# Altium PCB PCB.PcbDoc (continued)
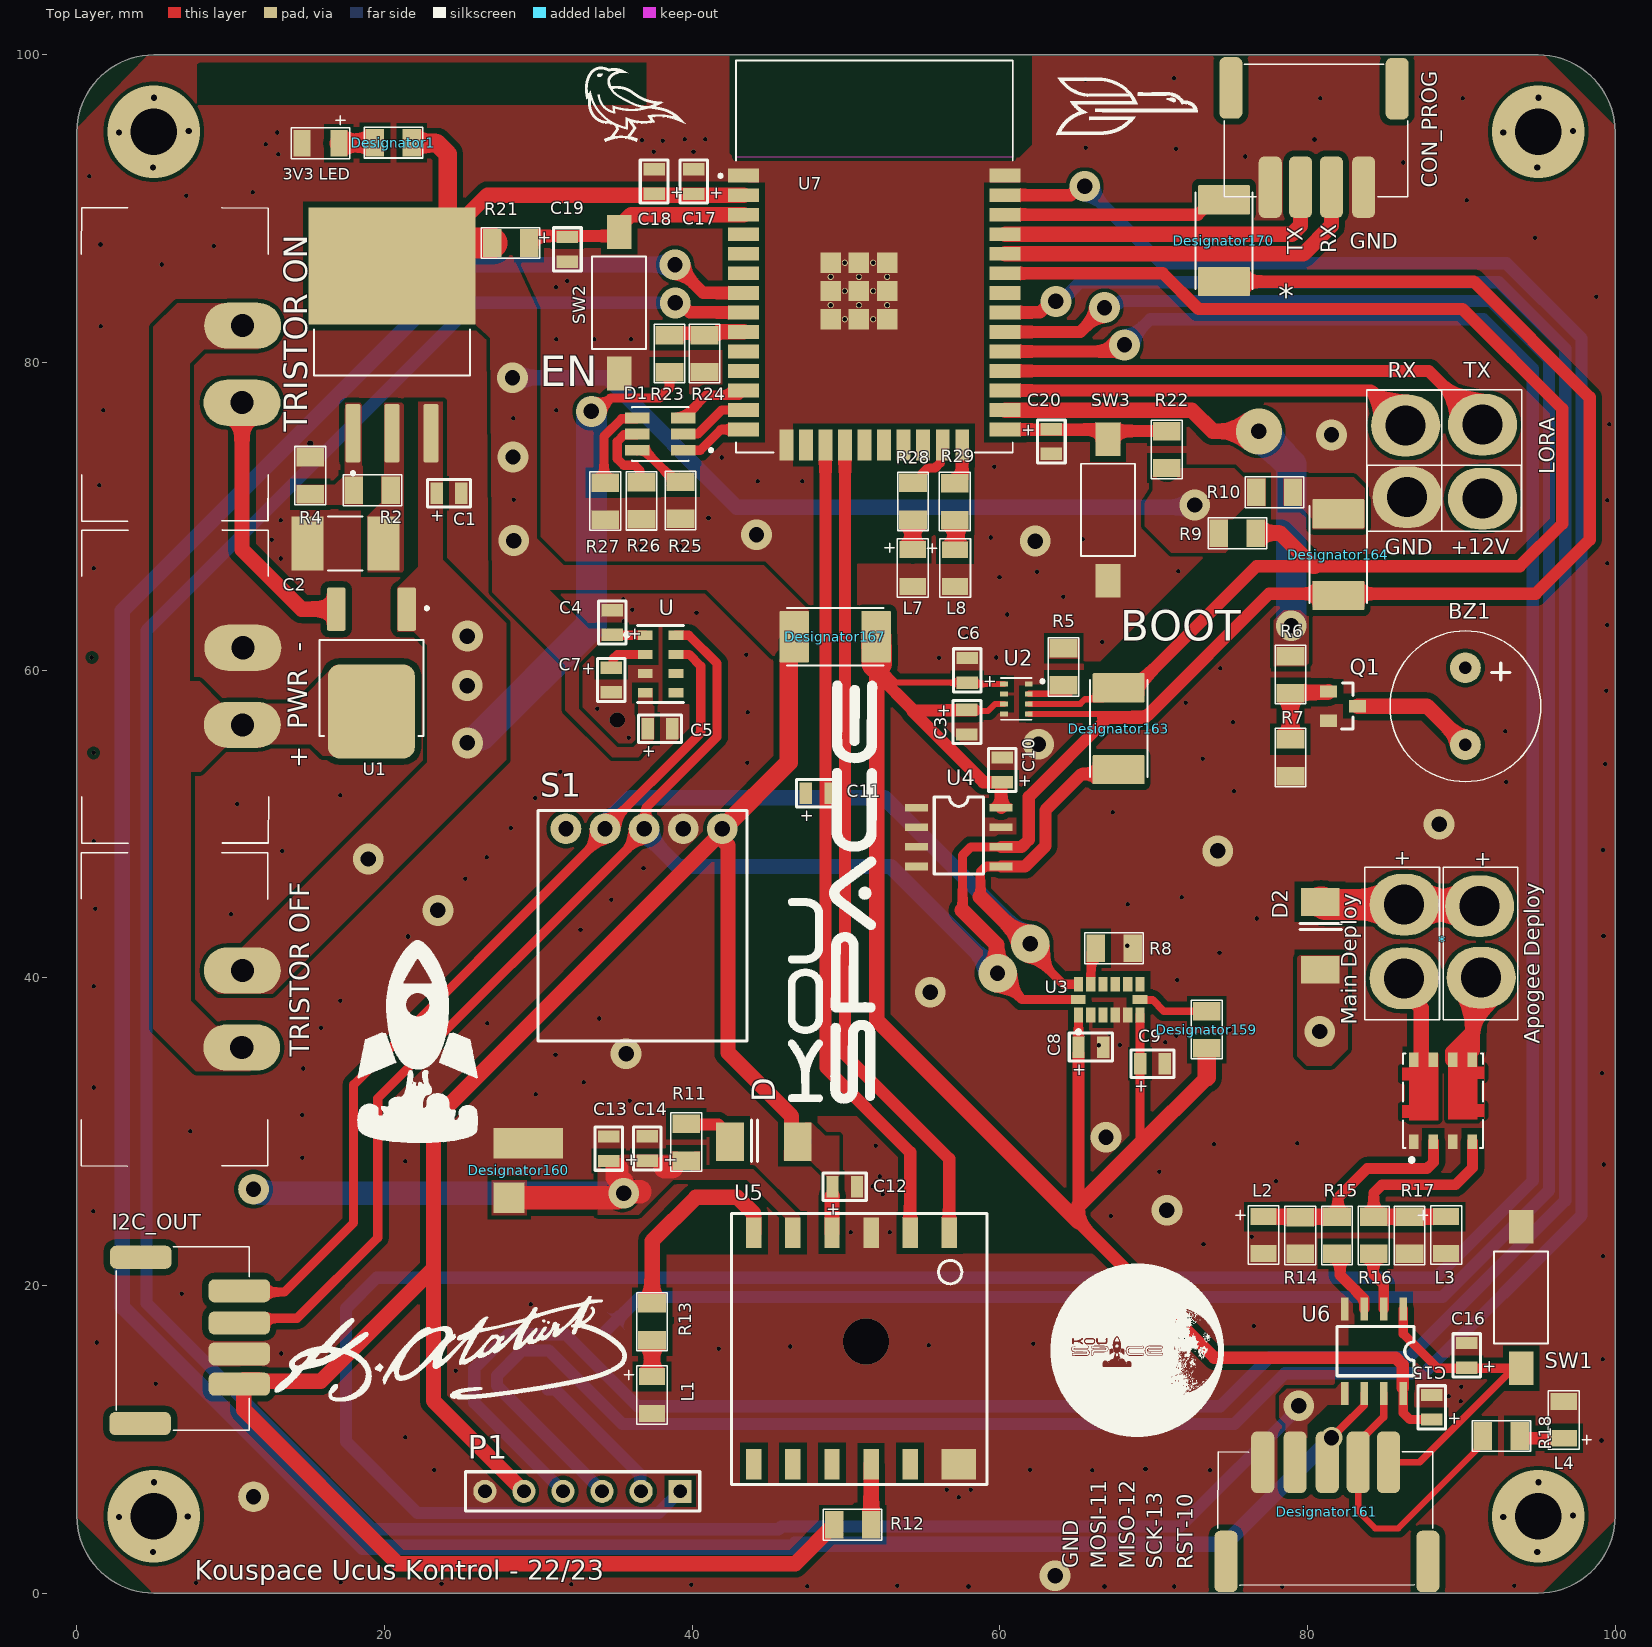
[diagram p0: Top Layer view]
## Part data (continued)
D D2: Case/Package=DO214AA, Current=3A, Voltage=1000V
D1: "LED RGB DIFFUSED 6PLCC SMD", Package=None, Availability="In Stock", Check_prices=https://www.snapeda.com/parts/ASMB-TTF2-0B20B/Avago/view-part/?ref=eda, MF="Broadcom / Avago", MP=ASMB-TTF2-0B20B, Price=None, Purchase-URL=https://pricing.snapeda.com/search/part/ASMB-TTF2-0B20B/?ref=eda, SnapEDA_Link=https://www.snapeda.com/parts/ASMB-TTF2-0B20B/Avago/view-part/?ref=snap
P1: "Header, 6-Pin", LatestRevisionDate=17-Jul-2002, LatestRevisionNote="Re-released for DXP Platform.", Publisher="Altium Limited"
Q1: "Trans MOSFET N-CH Si 60V 0.65A Automotive 3-Pin SOT-23F T/R", Case/Package=SOT23F, Manufacturer=Toshiba, Supplier Part Number 1=757-SSM3K357RLF, ComponentLink1Description=https://toshiba.semicon-storage.com/info/docget.jsp?did=59207&prodName=SSM3K357R&src-supplier=Digi-Key, ComponentLink1URL=https://toshiba.semicon-storage.com/info/docget.jsp?did=59207&prodName=SSM3K357R&src-supplier=Digi-Key, Designed by="Ahmet Azboy", Manufacturer Part Number=SSM3K357R,LF, Pricing 1="1=0,41000, 10=0,33600, 50=0,33600, 100=0,22900, 1000=0,12900, 10000=0,10300 (USD)", RoHS=No, Supplier 1=Mouser
R2 R4 R5 R6 R7 R8 R9 R10 R11 R12 R13 R14 R15 R16 R17 R18 R25 R26 R27 R28 R29: library part "RES 1K 1206"
S1: "Üç Eksenli Manyometre sensörü"
SW1 SW2 SW3: "Switch Tactile OFF (ON) SPST Rectangular Button Gull Wing 0.05A 12VDC SMD Loose Piece", Package=None, Availability=Unavailable, MP=1437566-3, Price=None
U: "Pressure Sensor 7.25PSI ~ 15.95PSI _50kPa ~ 110kPa_ Absolute 24 b 8-TLGA", Package="LGA-8 NXP USA", Availability=Unavailable, MF="NXP USA", MP=MPL3115A2, Price=None, SnapEDA_Link=https://www.snapeda.com/parts/MPL3115A2/NXP%20USA%20Inc./view-part/472433/?ref=snap
U2: "BMP280 Absolute Barometric Pressure Sensor for Battery Powered Devices 2 x 2.5mm", Package=None, Availability=Unavailable, MP=BMP280, Price=None
U3: "Accelerometer X, Y, Z Axis Â±2g, 4g, 8g, 16g 0.05Hz ~ 1.6kHz 14-LGA (3x5)", Package="LGA -14 Analog Devices", Availability=Warning, Check_prices=https://www.snapeda.com/parts/ADXL345BCCZ-RL/Analog%20Devices%20Inc./view-part/52306/?ref=eda, MF="Analog Devices", MP=ADXL345BCCZ-RL, Price=None, Purchase-URL=https://pricing.snapeda.com/search/part/ADXL345BCCZ-RL/?ref=eda, SnapEDA_Link=https://www.snapeda.com/parts/ADXL345BCCZ-RL/Analog%20Devices%20Inc./view-part/52306/?ref=snap
U4: "EEPROM Serial-2Wire 512K-bit 64K x 8 3.3V/5V 8-Pin SOIJ Tube / IC EEPROM 512KBIT 400KHZ 8SOIJ", Case/Package=SOIC, Frequency=400kHz, Manufacturer=Microchip, Manufacturer Part Number=24LC512-I/SM, Max Operating Temperature=85°C, Max Supply Voltage=5.5V, Min Operating Temperature=-40°C, Min Supply Voltage=2.5V, Nominal Supply Current=5mA, Package Quantity=90, Supplier Part Number 1=8895724, Access Time=900ns, Access Time-Max=900ns, Category=EEPROM, ComponentLink1Description=https://datasheet.ciiva.com/26870/24lc512-i-sm-26870738.pdf?src-supplier=IIIC, ComponentLink1URL=https://datasheet.ciiva.com/26870/24lc512-i-sm-26870738.pdf?src-supplier=IIIC, ComponentLink2Description=https://datasheet.ciiva.com/29294/160414-da-01-en-eeprom-24lc512-i-sm-microchip-29294348.pdf?src-supplier=Conrad, ComponentLink2URL=https://datasheet.ciiva.com/29294/160414-da-01-en-eeprom-24lc512-i-sm-microchip-29294348.pdf?src-supplier=Conrad, ComponentLink3Description=https://datasheet.ciiva.com/17651/21754m-17651369.pdf?src-supplier=Avnet+Europe, ComponentLink3URL=https://datasheet.ciiva.com/17651/21754m-17651369.pdf?src-supplier=Avnet+Europe, ComponentLink4Description=https://datasheet.ciiva.com/1155/1688094-1155274.pdf?src-supplier=Element14, ComponentLink4URL=https://datasheet.ciiva.com/1155/1688094-1155274.pdf?src-supplier=Element14, ComponentLink5Description=https://datasheet.ciiva.com/1155/1688094-1155275.pdf?src-supplier=Element14, ComponentLink5URL=https://datasheet.ciiva.com/1155/1688094-1155275.pdf?src-supplier=Element14, ComponentLink6Description=https://datasheet.ciiva.com/3184/21754m-3184956.pdf?src-supplier=Avnet, ComponentLink6URL=https://datasheet.ciiva.com/3184/21754m-3184956.pdf?src-supplier=Avnet, ComponentLink7Description=https://datasheet.ciiva.com/16921/70045251-16921949.pdf?src-supplier=Allied+Electronics, ComponentLink7URL=https://datasheet.ciiva.com/16921/70045251-16921949.pdf?src-supplier=Allied+Electronics, ComponentLink8Description=https://datasheet.ciiva.com/16304/filehandler-aspxddocname-en546203-16304574.pdf?src-supplier=Future+Electronics, ComponentLink8URL=https://datasheet.ciiva.com/16304/filehandler-aspxddocname-en546203-16304574.pdf?src-supplier=Future+Electronics, Density=512Kb, Designed by="Ahmet Azboy", Height=1.88mm, Lead Free="Lead Free", Length=5.21mm, Max Frequency=400kHz, Memory Size=512Kb, Memory Type=EEPROM, Mount="Surface Mount", Number of Pins=8, Organization=64KX8, Packaging=Rail/Tube, Pricing 1="90=1,48900 (GBP)", Programming Voltage=5.5V, Radiation Hardening=No, REACH SVHC="No SVHC", RoHS=Yes, RoHS Compliant=Yes, Stock 1=53, Supplier 1=RSComponents, Supply Current=5mA, Supply Voltage-Nom=5.5V, Width=5.28mm, Write Cycle Time-Max (tWC)=5ms, Write Protection=YES, Interface=I2C,Serial,2-Wire
U6: "ATtiny Series 4 KB Flash 256 B SRAM 20 MHz 8-Bit Microcontroller - SOIC-8", Case/Package=SOIC, Frequency=20MHz, Manufacturer="Microchip / Atmel", Manufacturer Part Number=ATTINY45-20SU, Max Operating Temperature=85°C, Max Supply Voltage=5.5V, Min Operating Temperature=-40°C, Min Supply Voltage=2.7V, Package Quantity=95, Supplier Part Number 1=68T3731, Access Time=20us, Address Bus Width=8b, Category=Microcontrollers, ComponentLink1Description=https://datasheet.ciiva.com/15122/getdatasheetpartid-123040-15122445.pdf?src-supplier=Verical, ComponentLink1URL=https://datasheet.ciiva.com/15122/getdatasheetpartid-123040-15122445.pdf?src-supplier=Verical, ComponentLink2Description=https://datasheet.ciiva.com/28653/1738893-28653749.pdf?src-supplier=Element14, ComponentLink2URL=https://datasheet.ciiva.com/28653/1738893-28653749.pdf?src-supplier=Element14, ComponentLink3Description=https://datasheet.ciiva.com/3203/doc2586-3203982.pdf?src-supplier=Avnet, ComponentLink3URL=https://datasheet.ciiva.com/3203/doc2586-3203982.pdf?src-supplier=Avnet, ComponentLink4Description=https://datasheet.ciiva.com/26207/doc2586-26207534.pdf?src-supplier=Avnet+Europe, ComponentLink4URL=https://datasheet.ciiva.com/26207/doc2586-26207534.pdf?src-supplier=Avnet+Europe, Contact Plating=Tin,Matte, Core Architecture=AVR, Data Bus Width=8b, Height=1.91mm, Lead Free="Lead Free", Length=5.35mm, Max Frequency=20MHz, Memory Size=4KB, Memory Type=FLASH, Mount="Surface Mount", Number of ADC Channels=4, Number of Pins=8, Number of Programmable I/O=6, Number of PWM Channels=6, Number of SPI Channels=1, Number of Timers/Counters=2, Number of UART Channels=1, Number of I2C Channels=1, Number of I/Os=6, Oscillator Type=Internal, Packaging=Rail/Tube, Peripherals="Brown-out Detect/Reset,POR,PWM,WDT", Radiation Hardening=No, RAM Size=256B, REACH SVHC="No SVHC", RoHS=Yes, Supplier 1=Newark, Termination=SMD/SMT, Watchdog Timer=Yes, Width=5.4mm, Interface=SPI
U7: "Bluetooth, WiFi 802.11b/g/n, Bluetooth v4.2 +EDR, Class 1, 2 and 3 Transceiver Module 2.4GHz ~ 2.5GHz Integrated", Package="Module Espressif Systems", Availability="In Stock", Check_prices=https://www.snapeda.com/parts/ESP32-WROOM-32D/Espressif+Systems/view-part/?ref=eda, MF="Espressif Systems", MP=ESP32-WROOM-32D, Price=None, Purchase-URL=https://pricing.snapeda.com/search/part/ESP32-WROOM-32D/?ref=eda, SnapEDA_Link=https://www.snapeda.com/parts/ESP32-WROOM-32D/Espressif+Systems/view-part/?ref=snap
"+  PWR  -" "TRISTOR OFF" "TRISTOR ON": ComponentLink1Description="New link"
U5: Designed by="Ahmet Azboy", Name="Quetcel L80"

## Via types
v1: diameter 0.3, hole 0.3, Top Layer to Bottom Layer, 195 vias
v2: diameter 2, hole 1, Top Layer to Bottom Layer, 31 vias
v3: diameter 0.4, hole 0.4, Top Layer to Bottom Layer, 17 vias
v4: diameter 6, hole 3, Top Layer to Bottom Layer, 4 vias
v5: diameter 2.5, hole 1, Top Layer to Bottom Layer, 2 vias
v6: diameter 1.4, hole 1, Top Layer to Bottom Layer, 1 vias
v7: diameter 1, hole 1, Top Layer to Bottom Layer, 1 vias
v8: diameter 3, hole 3, Top Layer to Bottom Layer, 1 vias
v9: diameter 3, hole 1, Top Layer to Bottom Layer, 1 vias

## Nets (pads, with @x,y where several pads share a name; then routed paths per layer and width w, separated by ;. In a path a pad name is that pad's centre, name@x,y a point inside that pad or via, vN(x,y) a via of type N, cw(c..) or ccw(c..) an arc to the next point about the centre after c; other vN are vias at no path point)
+3V3: "3V3 LED.2" "3V3 LED.4" C2.1 C3.1 C4.1 C5.1 C6.1 C8.1 C9.1 C10.1 C11.1 C12.1 C15.1 C17.1 C18.1 D.1 Designator1.2 Designator159.1 Designator167.1 Designator167.2 I2C_OUT.1 P1.5 R2.1 R5.1 R9.1 R10.1 R12.2 R21.2 R22.2 S1.1 U2.6 U2.8 U3.1 U3.6 U4.8 U5.4 U6.8 U7.2 U.1 U.4 | length 376.4
  Top Layer w0.4: 52.346,60.117 53.273,59.191 C6.1 ; C6.1@57.876,59.102 U2.8 ; C3.1@58.376,57.39 58.414,57.352 59.241,57.352 59.691,57.802 U2.6
  Top Layer w0.6: I2C_OUT.1@10.607,13.584 I2C_OUT.1 I2C_OUT.1@10.862,13.884 ; C4.1 34.82,62.277 U.1 ; Designator167.1@46.29,60.565 46.29,61.828 Designator167.1 ; C12.1@49.118,25.792 C12.1 ; C8.1@65.11,35.399 U3.1 ; 69.11,29.188 U3.6 ; U6.8 86.226,11.714 86.658,11.282 C15.1
  Top Layer w0.8: 51.997,60.467 51.997,59.768 54.38,57.384 56.3,57.384 56.306,57.39 C3.1@58.376,57.39 ; 54.324,57.327 58.931,52.72 C10.1@60.086,52.72 ; U4.8 C10.1@60.086,52.72 ; C10.1 C10.1@60.086,52.72 ; C8.1@65.115,35.069 65.115,25.193 65.115,24.134 73.942,15.307 85.729,15.307 86.198,14.838 U6.8@86.198,13.331
  Top Layer w1: I2C_OUT.1@10.607,13.584 10.857,13.334 10.857,11.92 20.857,1.92 46.709,1.92 R12.2 ; I2C_OUT.1@10.862,13.884 I2C_OUT.1@11.812,13.884 ; I2C_OUT.1@11.812,13.767 15.846,13.767 23.183,21.104 ; 22.617,88.097 24.113,89.593 ; 23.912,88.097 26.695,90.88 U7.2 ; P1.5 23.183,12.496 23.183,21.104 ; D.1 46.457,29.752 46.457,31.003 42.327,35.133 42.327,48.611 42.145,48.793 42.145,49.5 S1.1 41.954,49.484 23.183,30.713 23.183,21.104 ; U5.4 49.09,25.764 C12.1@49.118,25.792 ; 51.997,59.768 51.997,37.252 65.115,24.134 ; 65.115,25.193 69.11,29.188 73.457,33.535 ; R22.2 R22.2@70.863,73.132
  Top Layer w1.2: Designator1.2 21.775,94.258 23.41,94.258 24.113,93.555 24.113,89.593 ; S1.1 46.29,54.027 Designator167.1@46.29,60.565 ; 73.457,33.535 Designator159.1
  Top Layer w2: 20.488,86.283 21.978,87.773 R21.2 ; Designator167.2 51.96,61.53 51.997,61.493 51.997,60.467
  Bottom Layer w1: v2@28.305,79.013 34.486,79.013 42.908,70.591 72.528,70.591 v2(72.677,70.74)
  other v1: 28.406,71.068 28.363,76.382
  other v2: 28.406,68.422 28.348,73.86 28.318,79.005
+12V: "3V3 LED.3" "TRISTOR OFF.2" *.1@91.383,71.156 BZ1.1 C1.1 D2.1 R23.1 U1.1 | length 32.3
  Top Layer w0.6: v2(33.449,76.821) 33.828,76.821 34.703,77.696 37.873,77.696 38.523,78.346 R23.1
  Bottom Layer w1: 10.756,40.476 11.215,40.476 ; v2(25.386,55.272) 25.657,55.272 26.157,55.772 26.29,55.772
  Bottom Layer w2: 26.29,55.772 33.449,62.931 v2(33.449,76.821)
  other v2: 80.797,36.509 18.947,47.728 25.38,58.997 25.386,62.214
BATTERY: R23.2 R24.1 U7.9 | length 5
  Top Layer w0.8: R23.2 38.528,81.78 39.095,81.78 39.252,81.937 40.071,81.937 40.228,81.78 40.795,81.78 R24.1
  Top Layer w1: R24.1 40.9,81.885 41.681,81.885 41.786,81.99 U7.9
BUZZER_TRIG: R6.2 U7.26 | length 30.6
  Top Layer w1: U7.26 72.468,76.91 73.842,75.536 76.829,75.536 v9(76.842,75.523)
  Bottom Layer w2: v9(76.842,75.523) 76.842,75.478 78.941,73.379 v2(78.941,62.89)
CAP: C7.1 U.2 | length 2.8
  Top Layer w0.6: C7.1 34.75,60.162 34.85,60.262 34.85,60.726 35.151,61.027 U.2
CLK_ESP: ?.1@30.612,13.261 ?.2@34.374,17.023 P1.2 U7.30 | length 166.1
  Top Layer w0.8: U7.30 65.227,81.99 v2(66.808,83.571)
  Bottom Layer w0.8: ?.1@30.612,13.261 31.064,13.261 36.318,8.007 36.615,7.71 36.615,6.94 P1.2@36.656,6.899 ; ?.2@34.374,17.023 36.607,19.256 88.774,19.256 95.703,26.185 95.703,80.235 91.933,84.005 67.877,84.005 67.672,83.801 67.038,83.801 v2(66.808,83.571)
CS_ESP: P1.1 U7.29 | length 202.8
  Top Layer w0.8: U7.29 67.358,80.72 67.784,81.146 v2(68.109,81.146)
  Bottom Layer w0.8: P1.1 37.817,5.214 22.128,5.214 17.49,9.852 17.49,18.512 19.484,20.506 88.344,20.506 94.649,26.811 94.649,79.609 91.441,82.817 69.78,82.817 v2(68.109,81.146)
GND: "+  PWR  -.2" *.1@86.916,29.355 *.2@86.483,71.256 *.3@89.456,29.355 ?.2@14.63,94.255 B1.2 C1.2 C2.2 C3.2 C4.2 C5.2 C6.2 C7.2 C8.2 C9.2 C10.2 C11.2 C12.2 C13.2 C14.2 C15.2 C16.2 C17.2 C18.2 C19.2 C20.2 CON_PROG.1 CON_PROG.4 Designator160.1 Designator161.4@77.092,8.507 I2C_OUT.2 L1.2 L2.2 L3.2 L4.2 L7.2 L8.2 P1.6 Q1.2 R4.1 R7.1 R8.1 R14.2 R17.1 R24.2 R25.1 R26.1 R27.1 S1.2 SW1.2 SW2.2 SW3.2 U2.1 U2.5 U2.7 U3.2 U3.4 U3.5 U4.1 U4.2 U4.3 U4.4 U4.7 U5.3 U5.12 U6.4 U7.1 U7.15 U7.38 U7.39_1 U7.39_2 U7.39_3 U7.39_4 U7.39_5 U7.39_6 U7.39_7 U7.39_8 U7.39_9 U7.39_10 U7.39_11 U7.39_12 U7.39_13 U7.39_14 U7.39_15 U7.39_16 U7.39_17 U7.39_18 U7.39_19 U7.39_20 U7.39_21 U.3
  other v1: 57.966,0.433 66.806,0.429 71.334,0.429 78.354,0.429 47.477,0.455 53.342,0.476 93.448,0.479 39.935,0.552 32.148,0.578 23.705,0.603 7.741,0.667 17.153,0.704 57.33,6.239 58.107,6.718 56.549,6.72 66.001,7.981 73.665,7.981 23.237,8 61.96,8.011 69.474,8.071 99.114,9.919 21.34,10.134 89.962,12.469 89.191,12.806 89.986,13.409 5.122,13.618 24.642,14.463 99.196,15.202 13.278,15.575 21.34,15.823 41.737,15.898 46.37,16.029 55.372,16.12 62.164,16.215 1.289,16.295 68.395,16.368 76.509,17.365 29.518,18.786 6.826,19.453 99.216,21.903 73.239,22.673 76.369,23.175 50.307,23.464 52.838,23.464 67.222,24.519 1.069,24.814 52.383,25.92 51.731,26.45 77.956,26.775 52.201,27.087 70.367,27.391 99.268,27.867 21.354,28.069 14.661,28.301 51.929,29.072 73.922,29.169 79.324,29.237 7.36,30.024 14.661,31.085 21.597,31.687 35.938,32.009 29.82,32.431 1.093,32.868 32.954,33.215 99.145,33.791 14.707,34.102 24.222,34.312 31.116,34.993 66.42,35.629 67.809,35.632 70.76,35.805 71.479,36.236 67.11,36.358 70.782,36.557 74.929,36.606 15.867,36.747 26.671,37.059 33.957,37.358 17.12,38.511 1.102,39.46 71.536,39.859 74.278,41.625 68.283,42.09 21.529,42.688 99.244,42.72 32.74,43.122 76.695,43.856 10.021,44.129 1.182,44.493 68.329,44.786 34.731,45.076 71.815,45.25 25.242,46.447 36.838,47.125 26.634,47.839 13.341,48.246 99.21,48.311 1.093,48.878 28.212,49.742 67.352,50.769 10.42,51.3 29.79,51.691 17.126,51.865 75.223,52.127 92.934,52.731 31.415,53.408 99.355,53.902 43.575,53.979 73.188,54.23 35.878,55.596 92.848,56.031 75.156,56.605 43.617,57.272 33.84,57.482 72.082,57.874 99.427,58.663 74.341,60.133 56.044,60.801 59.757,60.821 43.521,61.007 66.647,61.834 57.831,62.191 99.481,62.937 35.559,63.188 60.472,63.621 40.279,63.729 68.99,63.859 36.093,63.938 35.51,64.602 64.125,64.772 59.976,66.043 62.418,66.401 71.591,66.42 1.093,66.619 99.481,66.941 13.248,67.259 36.638,68.051 39.229,68.051 12.665,68.485 65.376,68.505 59.4,68.624 13.248,69.746 41.062,69.895 99.492,71.042 1.451,72.025 44.255,72.274 47.15,72.287 59.628,73.222 41.918,73.824 99.625,75.998 1.722,76.901 31.154,76.902 31.154,81.513 33.637,81.513 36.025,81.513 1.542,82.356 98.774,84.264 31.149,84.892 32.566,84.892 31.868,85.301 5.518,86.37 8.907,87.573 1.538,87.672 94.789,88.117 90.352,90.561 7.103,90.853 11.422,91.072 0.816,92.111 86.236,93.005 75.946,93.391 13.096,93.551 37.508,93.714 40.087,93.714 71.455,93.9 65.592,93.97 12.286,94.196 38.087,94.415 36.737,94.45 80.455,94.496 39.518,94.525 40.854,94.525 13.022,94.951 80.834,97.185 90.094,97.185 87.381,97.291 65.573,98.393 71.32,98.47
  other v2: 63.592,1.122 70.864,24.887 66.902,29.63 35.703,35.071 55.473,39.068 23.469,44.384 74.169,48.25 88.556,49.987 62.518,55.188 62.301,68.391 44.179,68.803 81.565,75.293
  other v3: 15.171,74.736
  other v7: 35.121,56.759
  other v8: 51.297,16.362
GPS_LED: R13.1 U5.6 | length 13.5
  Top Layer w1: R13.1 37.394,22.889 40.234,25.729 42.943,25.729 44.01,24.662 U5.6
IO0: C20.1 R22.1 SW3.1 U7.25 | length 10.4
  Top Layer w0.8: U7.25 SW3.1@66.63,75.64 ; SW3.1 67.03,75.144 67.43,75.544 R22.1
LED_1: R29.2 U7.24 | length 2.8
  Top Layer w0.6: R29.2 57.256,72.157 R29.2@57.556,72.457
  Top Layer w0.8: R29.2@57.556,72.457 U7.24
LED_2: R28.2 U7.23 | length 3.7
  Top Layer w0.6: R28.2 54.658,72.181 54.958,72.481 54.958,72.789 55.309,73.14 55.785,73.14 56.136,73.491 56.136,74.49 U7.23
MISO: Designator161.3 U6.6 U7.7 | length 187.5
  Top Layer w0.5: v6(81.566,10.099) 82.233,10.766 83.686,12.22 U6.6
  Top Layer w0.8: v2(38.885,86.363) 40.718,84.53 U7.7
  Bottom Layer w1: v2(38.885,86.363) 25.447,86.363 2.96,63.876 2.96,18.595 18.564,2.991 46.499,2.991 46.682,3.174 74.617,3.174 81.542,10.099 v6(81.566,10.099)
MISO_ESP: P1.4 U7.31 | length 184.1
  Top Layer w0.8: U7.31 62.606,83.26 63.319,83.973 v2(63.644,83.973)
  Bottom Layer w0.8: P1.4 25.836,12.383 25.836,14.6 28.065,16.829 31.768,16.829 36.452,12.145 74.34,12.145 77.547,15.352 86.595,15.352 96.757,25.514 96.757,80.906 92.438,85.225 65.229,85.225 64.566,84.562 64.558,84.562 63.969,83.973 v2(63.644,83.973)
MOSI: Designator161.4@79.197,8.507 U6.5 U7.8 | length 176
  Top Layer w0.8: v2(38.9,83.877) 39.225,83.877 39.842,83.26 U7.8
  Bottom Layer w0.8: v2(38.9,83.877) 25.814,83.877 4.521,62.584 4.521,18.848 19.224,4.145 45.611,4.145 45.794,4.328 71.718,4.328 79.435,12.045 v2(79.435,12.179)
MOSI_ESP: P1.3 U7.37 | length 187.9
  Top Layer w0.8: U7.37 64.614,90.88 65.19,91.456 v2(65.515,91.456)
  Bottom Layer w0.8: P1.3@34.141,6.64 27.308,13.473 27.308,14.135 28.948,15.775 30.672,15.775 35.457,10.99 75.238,10.99 78.546,14.298 87.559,14.298 97.811,24.55 97.811,81.578 92.944,86.445 70.526,86.445 v2(65.515,91.456)
Net*_1: *.1@86.291,44.765 *.2@91.191,44.665 D2.2 | length 10.5
  Top Layer w2: D2.2 80.968,44.934 81.137,44.765 86.291,44.765 86.341,44.715 91.141,44.715 *.2@91.191,44.665
Net*_2: *.2@88.186,29.355 L2.1 R14.1 R15.2 | length 14.6
  Top Layer w0.7: R15.2 81.986,24.515 81.986,25.695 83.887,27.596 87.776,27.596 88.186,28.006 *.2@88.186,29.355
  Top Layer w1: L2.1 77.151,24.465 79.525,24.465 81.917,24.465 R15.2
Net*_3: *.7 *.8 *.@86.291,39.965 | length 7.5
  Top Layer w1: *.@86.291,39.965 86.291,39.153 87.406,38.038 87.406,37.886 87.387,37.867 87.387,32.913
Net*_4: *.4@90.726,29.355 L3.1 R16.2 R17.2 | length 15.1
  Top Layer w0.7: R16.2 84.311,26.018 84.839,26.546 89.625,26.546 90.726,27.647 *.4@90.726,29.355
  Top Layer w1: R16.2 84.321,24.465 89.005,24.465 L3.1
NetB1_1: B1.1 C13.1 C14.1 Designator160.2 R11.2 U5.5 | length 34.4
  Top Layer w0.6: R11.2@39.607,28.102 R11.2
  Top Layer w1.5: Designator160.2 v2@35.124,25.701 ; 35.1,27.566 35.1,27.042 35.458,26.684 35.458,26.092 v2(35.554,25.996) 35.65,26.092 36.615,26.092 ; 38.226,27.703 38.672,27.703
  Bottom Layer w1.5: B1.1 11.617,26.261 11.882,25.996 v2@35.419,25.996
NetBZ1_2: BZ1.2 Q1.3 | length 8
  Top Layer w1: Q1.3 87.759,57.662 BZ1.2
NetC19_1: C19.1 R21.1 SW2.1 U7.3 | length 15.9
  Top Layer w0.8: R21.1@29.254,87.786 R21.1@29.369,87.902 ; R21.1@29.27,88.226 31.083,88.226 34.046,88.226 34.045,88.227 35.078,88.227 SW2.1@35.496,88.227 ; SW2.1 SW2.1@35.251,88.576
  Top Layer w1: SW2.1@34.951,87.926 35.078,88.053 35.078,88.227 35.078,88.658 36.03,89.61 U7.3
NetD1_2: D1.2 R25.2 | length 3.7
  Top Layer w0.6: D1.2 36.876,74.302 38.635,72.543 38.635,72.535 38.935,72.235 R25.2
NetD1_4: D1.4 R26.2 | length 5.2
  Top Layer w0.6: D1.4 36.376,75.302 35.569,75.302 35.126,74.859 35.126,73.745 35.553,73.318 36.261,73.318 36.608,72.971 36.608,72.309 R26.2
NetD1_6: D1.6 R27.2 | length 5.7
  Top Layer w0.6: R27.2 34.272,72.27 34.272,75.213 35.411,76.352 36.376,76.352 D1.6
NetD_2: D.2 R11.1 | length 4.7
  Top Layer w0.6: D.2@41.857,30.283 42.457,29.683 D.2
  Top Layer w0.8: R11.1 39.665,30.468 41.691,30.468 42.457,29.702 D.2
NetKLM1_1: "TRISTOR ON.1" U1.3 | length 17.3
  Top Layer w1: 10.734,77.389 10.734,67.834 14.603,63.965 U1.3
NetL1_1: L1.1 R13.2 | length 2.4
  Top Layer w1: L1.1 L1.1 37.393,16.439 R13.2
NetL4_1: L4.1 R18.1 | length 2.5
  Top Layer w0.8: R18.1@94.134,10.053 94.141,10.059 96.655,10.059 L4.1
NetL5_1: ?.1@17.03,94.255 Designator1.1 | length 2.4
  Top Layer w1.2: ?.1@17.03,94.255 17.051,94.276 19.375,94.276 Designator1.1
NetL6_1: *.3@91.291,40.015 *.@89.456,34.665 *.@90.726,34.665 | length 8.2
  Top Layer w1: *.@89.456,34.665 89.456,35.176 90.726,36.446 ; 90.091,34.66 90.726,35.295 90.726,36.446 ; *.3@91.291,40.015 90.745,39.469 90.745,36.465 90.726,36.446
NetL7_1: L7.1 R28.1 | length 2
  Top Layer w0.6: R28.1@54.334,69.757 R28.1
  Top Layer w1: L7.1@54.334,67.795 R28.1@54.334,69.757
NetL8_1: L8.1 R29.1 | length 2
  Top Layer w0.6: R29.1 R29.1@57.164,69.663
  Top Layer w1: L8.1@57.164,67.816 R29.1@57.164,69.663
NetQ1_1: Q1.1 R6.1 R7.2 | length 5.5
  Top Layer w1: R7.2 78.896,55.517 78.896,58.511 R6.1 78.948,58.563 81.317,58.563 Q1.1
NetR1_1: Designator159.2 U3.7 | length 4.7
  Top Layer w0.5: U3.7 69.133,38.561 69.929,38.561 70.66,37.83 Designator159.2
NetR2_2: "3V3 LED.1" R2.2 R4.2
NetR5_2: R5.2 U2.2 | length 2.7
  Top Layer w0.4: U2.2@61.89,58.466 64.531,58.466 R5.2@64.554,58.489
NetR8_2: R8.2 U3.12 | length 2
  Top Layer w0.6: 65.91,40.079 65.91,40.266 65.936,40.292 65.936,41.629 R8.2
NetR12_1: R12.1 U5.10 | length 3.9
  Top Layer w1: U5.10 51.63,7.87 51.634,7.866 R12.1
PROG_RX: CON_PROG.3 U7.34 | length 24.5
  Top Layer w1: U7.34 79.729,87.07 81.56,88.901 CON_PROG.3
PROG_TX: CON_PROG.2 U7.35 | length 21.9
  Top Layer w1: U7.35 78.989,88.34 79.55,88.901 CON_PROG.2
RESET: C16.1 Designator161.1 SW1.1 U6.1 | length 20.9
  Top Layer w0.45: Designator161.1 87.286,8.507 SW1.1@93.396,14.617
  Top Layer w0.6: U6.1 86.226,16.853 88.462,14.617 90.353,14.617 SW1.1@93.396,14.617
  Top Layer w0.8: SW1.1@93.396,14.617 SW1.1
RGB_BLUE: D1.5 U7.12 | length 4.7
  Top Layer w0.6: D1.5 40.904,77.88 43.041,77.88 U7.12
RGB_GREEN: D1.3 U7.13 | length 4.6
  Top Layer w0.6: D1.3 40.368,75.352 41.926,76.91 U7.13
RGB_RED: D1.1 U7.14 | length 4.5
  Top Layer w0.6: D1.1 40.526,74.302 41.864,75.64 U7.14
RX_GPS: U5.2 U7.17 | length 53.5
  Top Layer w0.8: U7.17 48.666,34.159 54.17,28.656 U5.2
RX_LORA: *.3@86.383,75.906 U7.27 | length 27
  Top Layer w0.8: U7.27 84.109,78.18 *.3@86.383,75.906
SCK: Designator161.2 R18.2 U6.7 | length 19.8
  Top Layer w0.4: Designator161.2@83.27,8.516 83.27,9.746 83.62,10.096 Designator161.2@83.661,10.096 ; Designator161.2 83.297,5.306 84.393,4.21 85.902,4.21 91.455,9.763 R18.2@91.455,10.063 ; Designator161.2@83.426,10.096 Designator161.2@83.6,10.096
  Top Layer w0.5: Designator161.2@83.6,10.096 84.956,11.452 U6.7
SCK_ESP: 
SCL: Designator164.1 Designator164.2 Designator170.1 Designator170.2 I2C_OUT.3 R10.2 S1.3 U2.4 U3.14 U4.6 U7.36 U.8 | length 212.5
  Top Layer w0.4: U2.4 69.687,57.152
  Top Layer w0.6: I2C_OUT.3 10.862,17.864 14.314,17.864 19.559,23.109 19.559,32.161 36.874,49.476 S1.3 ; S1.3@37.003,49.82 37.003,51.05 41.617,55.664 41.617,60.441 39.781,62.277 U.8 ; 57.568,44.383 57.568,47.948 58.131,48.511 U4.6 ; v5@59.792,40.238 v5(59.851,40.297) ; v5@60.112,40.275 60.148,40.275 60.148,39.883 61.447,38.584 U3.14
  Top Layer w0.8: U4.6 61.408,48.511 61.877,48.98 61.877,51.766 67.016,56.905 ; U7.36 72.868,89.61 73.838,90.58 Designator170.2 ; 66.71,56.905 67.016,56.905 ; Designator170.1 90.818,85.26 98.343,77.735 98.343,68.478 94.833,64.968 77.503,64.968 69.687,57.152 69.44,56.905 67.016,56.905
  Top Layer w1: 57.568,44.383 59.792,42.159 v5@59.792,40.238
  Bottom Layer w1: S1.3 36.874,49.458 39.092,47.24 52.909,47.24 v5(59.851,40.297)
SDA: Designator163.1 Designator163.2 I2C_OUT.4 R9.2 S1.4 U2.3 U3.13 U4.5 U7.33 U.7 | length 202.9
  Top Layer w0.3: U2.3@61.876,57.777 61.851,57.777 U2.3
  Top Layer w0.4: U2.3@61.876,57.812 65.24,57.812 65.536,58.108 66.705,58.108 Designator163.2@66.744,58.146
  Top Layer w0.6: I2C_OUT.4@11.141,19.567 13.477,19.567 17.99,24.08 17.99,33.047 34.066,49.123 34.066,49.423 40.564,55.921 40.564,60.265 39.802,61.027 U.7 ; 58.736,45.259 58.736,46.89 59.087,47.241 U4.5 ; v5(61.986,42.217) 61.986,41.73 64.132,39.584 U3.13
  Top Layer w0.8: U4.5 61.637,47.241 62.965,48.569 62.965,50.9 65.317,53.252 67.439,53.252 Designator163.1 ; U7.33 70.588,85.8 72.911,83.477 90.079,83.477 96.56,76.996 96.56,69.521 93.794,66.755 80.483,66.755 ; Designator163.2 68.275,59.408 69.336,59.408 76.683,66.755 80.377,66.755
  Top Layer w1: 58.736,45.259 61.778,42.217 v5(61.986,42.217) ; R9.2 78.226,68.906 80.377,66.755 80.483,66.755
  Bottom Layer w1: S1.4 34.334,50.056 35.995,51.717 52.486,51.717 v5(61.986,42.217)
TRIGGER1: R16.1 U6.2 | length 3.9
  Top Layer w0.7: R16.1 84.279,22.023 84.279,20.747 84.956,20.07 U6.2
TRIGGER2: R15.1 U6.3 | length 4.3
  Top Layer w0.7: R15.1 82.12,21.861 82.12,20.688 83.686,19.122 U6.3
TX_GPS: U5.1 U7.18 | length 54
  Top Layer w0.8: U7.18 49.936,35.003 56.71,28.229 U5.1
TX_LORA: *.4@91.383,75.956 U7.28 | length 32.5
  Top Layer w0.8: U7.28 87.889,79.45 *.4@91.383,75.956
VCC: "+  PWR  -.1" "TRISTOR OFF.1" "TRISTOR ON.2" U1.4
pads on no net: CON_PROG. Designator161. I2C_OUT. S1.5 U3.3 U3.8 U3.9 U3.10 U3.11 U5.7 U5.8 U5.9 U5.11 U7.4 U7.5 U7.6 U7.10 U7.11 U7.16 U7.19 U7.20 U7.21 U7.22 U7.32 U.5 U.6
copper on no net:
  other v1: 1.093,54.623 0.972,60.826 94.94,92.684 92.73,94.955 97.27,95.045 95.016,97.211
  other v3: 4.94,2.684 94.94,2.684 2.73,4.955 92.73,4.955 7.211,4.985 97.27,5.045 5.016,7.211 95.016,7.211 4.94,92.684 94.94,92.684 2.73,94.955 92.73,94.955 7.27,95.045 97.27,95.045 5.016,97.211 95.016,97.211
  other v4: 5,5 95,5 5,95 95,95

## Polygon pours and split planes (outlines as drawn)
GND on Top Layer "GND_L01_P027" (solid, remove dead copper, pour order 27): 0.088,91.643 0.077,91.654 0.077,95.315 4.558,99.91 5.049,99.91 42.395,99.91 42.395,93.617 42.699,93.313 61.253,93.313 62.105,94.165 62.105,99.91 95.457,99.91 99.949,95.418 99.949,4.711 95.299,0.061 4.825,0.061 4.825,0.116 0.049,4.892 0.074,4.917 0.074,91.655
NetB1_1 on Top Layer "NETB1_1_L01_P037" (solid, pour order 37): 26.549,26.673 26.999,27.123 36.554,27.123 36.932,26.745 36.932,25.031 36.396,24.495 26.765,24.495 26.765,26.385 26.459,26.691
NetB1_1 on Top Layer "NETB1_1_L01_P029" (solid, pour order 29): 26.87,26.602 27.222,26.954 34.582,26.954 34.824,27.196 36.332,27.196 37.234,26.294 36.398,25.458 36.398,24.754 36.233,24.589 27.09,24.589 26.848,24.831 26.859,24.842 26.859,26.602
NetB1_1 on Top Layer "NETB1_1_L01_P014" (solid, pour order 14): 33.874,28.474 33.899,28.499 38.491,28.499 38.715,28.723 40.52,28.723 40.52,27.543 40.529,27.534 40.537,27.542 43.959,27.542 47.064,24.437 46.999,24.372 46.045,24.372 46.045,24.38 43.549,26.876 38.777,26.876 36.494,24.593 33.849,24.593 33.849,28.502 33.858,28.511
+3V3 on Top Layer "+3V3_L01_P006" (solid, pour order 6): 36.474,58.831 36.49,58.815 36.49,57.129 36.718,56.901 36.71,56.893 36.71,55.491 36.68,55.491 36.183,54.994 35.123,54.994 32.64,57.477 32.64,60.667 31.744,60.667 31.729,60.652 31.744,60.637 31.744,57.397 34.79,54.351 36.502,54.351 37.521,55.509 37.519,55.511 37.519,57.661 37.412,57.768 37.422,57.778 37.422,58.816 37.425,58.819 37.412,58.832 36.488,58.832
+3V3 on Top Layer "+3V3_L01_P034" (solid, pour order 34): 32.773,63.178 33.252,62.699 35.528,62.699 35.63,62.597 37.448,62.597 37.448,61.969 37.442,61.963 35.585,61.963 35.46,61.838 35.426,61.872 34.079,61.872 33.578,61.371 33.151,61.798 31.967,61.798
+3V3 on Top Layer "+3V3_L01_P000" (solid, remove dead copper, pour order 0): 24.461,88.632 27.534,88.632 29.895,83.529 29.895,66.056 34.079,61.872 32.328,60.121 31.958,60.121 27.016,65.063 26.867,81.577 26.664,81.78 24.461,83.767
+3V3 on Top Layer "+3V3_L01_P007" (solid, pour order 7): 47.513,60.504 47.482,60.535 45.538,60.535 45.538,60.628 40.927,65.239 29.744,65.239 29.744,68.728 31.644,66.828 44.643,66.828 47.605,63.866 47.543,63.804 47.543,60.519
+3V3 on Top Layer "+3V3_L01_P031" (solid, pour order 31): 63.208,61.893 63.208,62.056 66.185,62.056 71.592,67.463 71.592,67.907 73.192,67.907 66.037,60.752 63.208,60.752 63.208,61.804 63.193,61.819
+3V3 on Top Layer "+3V3_L01_P012" (solid, pour order 12): 48.681,22.611 48.698,22.628 49.452,22.628 49.452,24.263 49.6,24.411 49.431,24.411 49.431,25.635 49.547,25.751 49.547,29.721 48.65,29.721 47.752,30.619 45.968,30.619 45.968,28.138 45.989,28.117 47.689,28.117 48.671,27.135 48.66,27.124 48.66,24.432 48.618,24.39 48.671,24.337 48.671,22.627
MOSI on Top Layer "MOSI_L01_P015" (solid, pour order 15): 82.204,13.703 82.639,13.703 82.639,12.251 81.311,12.251 79.999,10.939 79.999,10.084 78.584,10.084 78.547,10.121 78.584,10.158 78.584,11.042 78.517,11.042 78.171,11.388 78.179,11.396 78.179,12.825 78.651,13.297 81.79,13.297 82.225,13.732 82.623,13.732
VCC on Top Layer "VCC_L01_P026" (solid, pour order 26): 10.477,57.83 14.29,57.83 16.768,60.308 21.526,60.308 21.526,54.531 21.401,54.406 16.536,54.406 16.5,54.442 15.981,54.442 15.21,55.194 10.544,55.194 10.544,57.375 10.419,57.5
VCC on Top Layer "VCC_L01_P025" (solid, pour order 25): 11.38,36.888 11.27,36.778 11.27,33.938 7.73,33.938 4.965,36.703 4.965,82.312 6.514,83.861 11.786,83.861 11.786,80.875 8.283,80.875 7.325,79.917 7.325,59.268 7.989,59.268 9.427,57.83 11.528,57.83 12.044,57.314 12.044,54.991 9.647,54.991 8.062,53.406 7.398,53.406 7.398,38.511 9.058,36.851 9.095,36.888 11.233,36.888
BUZZER_TRIG on Top Layer "BUZZER_TRIG_L01_P023" (solid, pour order 23): 78.465,63.905 77.798,63.238 77.798,60.26 79.839,60.26 79.858,60.241 80.07,60.453 80.07,63.518 79.984,63.518 79.593,63.831 79.519,63.905
+12V on Top Layer "+12V_L01_P019" (solid, pour order 19): 79.398,41.412 79.339,41.353 79.339,34.914 79.967,34.286 81.558,34.286 82.617,35.345 82.617,41.47 79.28,41.47
+3V3 on Top Layer "+3V3_L01_P010" (solid, pour order 10): 69.421,70.874 69.421,69.363 71.136,67.648 74.674,67.648 74.674,67.659 74.843,67.828 74.807,67.864 74.807,69.826 75.156,69.826 75.998,70.668 77.273,70.668 77.273,72.473 77.297,72.497 75.866,72.497 75.231,73.132 71.624,73.132 71.624,73.076
+3V3 on Top Layer "+3V3_L01_P008" (solid, pour order 8): 69.954,73.698 69.929,73.673 69.929,71.708 69.421,70.874 69.421,69.761 70.126,69.056 71.786,69.056 71.786,69.074 72.413,69.701 72.413,71.047 71.752,71.708 71.752,73.681 69.946,73.681 69.929,73.698
SCL on Top Layer "SCL_L01_P009" (solid, pour order 9): 78.517,72.536 78.438,72.457 78.438,70.72 79.459,70.72 80.323,69.856 80.323,69.17 83.689,69.17 83.728,69.209 83.728,71.82 83.002,72.546 82.992,72.536 78.488,72.536
NetR2_2 on Top Layer "NETR2_2_L01_P003" (solid, pour order 3): 17.4,76.911 17.4,72.679 16.775,72.054 14.212,72.054 14.212,70.92 14.373,70.759 18.578,70.759 18.578,77.216 18.41,77.384 17.453,77.384 17.453,77.053 17.409,77.009
+3V3 on Top Layer "+3V3_L01_P002" (solid, pour order 2): 19.966,75.489 19.966,72.781 19.751,72.566 19.781,72.536 19.781,70.858 19.72,70.858 18.828,69.966 18.904,69.89 18.904,66.381 21.15,66.381 21.258,66.489 21.243,66.504 21.243,77.259 21.105,77.397 19.983,77.397 19.908,77.322 19.982,77.248 19.982,75.517
+12V on Top Layer "+12V_L01_P001" (solid, pour order 1): 9.63,42.032 8.603,41.005 8.603,39.505 8.63,39.505 9.157,38.978 12.74,38.978 27.928,54.166 27.928,63.051 23.791,67.188 23.791,77.35 23.791,77.463 22.567,77.463 22.18,77.463 22.18,66.715 20.82,65.355 20.82,62.495 21.903,62.495 22.791,61.607 22.791,53.999 22.763,53.999 10.435,41.671 9.195,41.671 9.554,42.03 9.625,42.03
GND on Bottom Layer "GND_L02_P028" (solid, remove dead copper, pour order 28): 0.133,95.35 4.736,99.953 4.767,99.922 42.462,99.922 42.462,93.454 42.814,93.102 61.103,93.102 61.103,93.239 62.128,94.264 62.128,99.922 95.496,99.922 99.946,95.472 99.908,95.434 99.908,4.696 95.242,0.03 95.218,0.054 4.858,0.054 4.858,0.09 0.06,4.888 0.132,4.96 0.132,95.343
+12V on Bottom Layer "+12V_L02_P022" (solid, pour order 22): 9.492,41.902 9.607,41.787 45.185,41.787 52.208,34.764 75.583,34.764 78.228,37.409 79.248,38.429 82.41,35.268 77.991,30.849 41.615,30.849 33.325,39.139 9.089,39.139 9.089,41.154 9.78,41.845
+12V on Bottom Layer "+12V_L02_P024" (solid, pour order 24): 85.1,61.881 89.191,65.972 89.191,72.69 89.953,73.452 93.566,73.452 93.566,69.914 92.507,68.855 92.507,61.365
+12V on Bottom Layer "+12V_L02_P020" (solid, pour order 20): 80.555,34.272 81.257,34.272 81.304,34.225 82.242,35.163 82.476,35.163 82.476,50.116 90.866,58.506 92.507,58.506 92.507,61.365 91.991,61.881 85.1,61.881 78.716,55.497 78.716,35.195 79.707,34.204 79.722,34.219 80.669,34.219

## Other copper
Top Layer:
  pour cut-out: 75.244,69.585 75.447,69.585 75.644,69.782 75.644,67.606 75.771,67.479 76.34,67.479 76.34,67.581 76.34,67.259 69.125,60.044 68.988,60.181 65.924,60.181 65.924,59.331 65.441,58.847 65.441,60.398 65.422,60.417 65.434,60.429 68.067,60.429 75.339,67.701 75.339,69.643
  pour cut-out: 33.702,63.095 33.702,62.776 33.609,62.776 33.575,62.742 33.225,63.092 33.699,63.092
  pour cut-out: 82.666,17.477 82.66,17.471 82.66,16.058 85.688,16.058 85.855,16.225 85.544,16.536 85.544,17.307 85.52,17.331 83.036,17.331 83.036,17.45 83.009,17.477
  pour cut-out: 74.987,67.606 74.77,67.389 73.317,67.389 66.521,60.593 65.524,60.593 65.441,60.51 65.441,60.429 68.067,60.429 75.244,67.606 68.067,60.429 75.244,67.606
  pour cut-out: 50.234,5.745 50.234,3.028 50.234,3.145 50.634,3.145 50.536,3.243 50.536,5.935 50.726,5.745
  pour cut-out: 81.766,14.131 81.766,14.45 81.816,14.5 85.391,14.5 85.391,14.131 85.377,14.145 81.78,14.145
  pour cut-out: 36.094,17.841 36.094,17.441 38.694,17.441 38.793,17.54 38.793,17.94 38.694,17.841
  pour cut-out: 54.977,28.641 54.977,24.913 55.07,24.82 55.07,22.02 55.81,22.02 55.81,24.82 55.903,24.82 55.903,27.895 55.087,28.71 55.046,28.71
  pour cut-out: 53.085,71.181 58.346,71.181 58.37,71.157 58.37,70.757 53.109,70.757 53.085,70.781
  pour cut-out: 50.743,73.24 50.743,66.914 50.741,66.912 50.75,66.903 53.085,66.903 53.085,73.154 52.999,73.24
  pour cut-out: 39.823,78.375 39.823,77.974 39.926,77.871 39.207,77.152 38.507,77.152 38.454,77.205 38.454,77.318 39.129,77.993 39.134,77.993 39.134,78.251 39.258,78.375
  pour cut-out: 21.502,66.583 21.51,66.583 21.555,66.538 21.637,66.538 22.081,66.982 22.081,77.702 21.27,77.702 21.204,77.636 21.502,77.338 21.502,66.583 21.527,66.558 21.535,66.558
  pour cut-out: 19.011,72.994 19.011,70.681 19.245,70.915 19.411,70.915 19.411,72.994 19.707,72.994 19.707,77.462 19.912,77.668 18.524,77.668 18.524,73.307 18.837,72.994
  pour cut-out: 47.124,60.084 47.128,60.088 47.86,60.088 47.86,33.888 50.746,31.002 47.735,31.002 42.937,35.8 43.414,36.277 43.414,49.042 43.414,49.746 47.124,53.625
  pour cut-out: 50.743,59.592 50.743,35.298 57.517,28.524 57.517,24.82 57.61,24.82 57.595,24.805 57.595,22.052 66.021,22.052 51.274,36.799 51.21,36.799 51.21,59.277 50.87,59.617 50.87,59.635 50.787,59.635
  pour cut-out: 38.79,73.552 38.79,73.483 38.742,73.435 38.941,73.235 40.535,73.235 40.626,73.326 40.626,73.609 38.848,73.609
  pour cut-out: 43.11,22.02 43.11,24.79 42.893,25.007 40.796,25.007 38.302,22.513 38.302,22.003 38.319,22.02
  pour cut-out: 7.989,99.485 7.834,99.407 7.834,96.768 37.006,96.768 37.006,99.485
  pour cut-out: 36.49,58.225 36.494,58.221 36.571,58.221

## Silkscreen, mask and mechanical layers (free items; w line width, h text height)
Top Overlay:
  drawing of 146 lines, arcs and shapes, not listed
  text "GND" at 82.744,87.412 h1
  text "RX" at 81.883,87.092 h1 r90
  text "TX" at 79.698,87.039 h1 r90
  text "RX" at 85.213,79.02 h1
  text "TX" at 90.155,79.02 h1
  text "EN" at 30.077,78.466 h2
  text "LORA" at 96.067,72.751 h1 r90
  text "+12V" at 89.324,67.528 h1
  text "GND" at 85.011,67.509 h1
  text "BOOT" at 67.822,61.909 h2
  text "+" at 85.608,47.339 h1
  text "+" at 90.827,47.296 h1
  text "Main Deploy" at 83.214,36.964 h1 r90
  text "Apogee Deploy" at 95.086,35.72 h1 r90
  text "GND" at 65.084,1.609 h1 r90
  text "MOSI-11" at 66.933,1.593 h1 r90
  text "SCK-13" at 70.561,1.599 h1 r90
  text "MISO-12" at 68.766,1.576 h1 r90
  text "RST-10" at 72.547,1.559 h1 r90
  text "Kouspace Ucus Kontrol - 22/23" at 7.661,0.864 h1.25
Bottom Overlay:
  drawing of 16 lines, arcs and shapes, not listed
Mechanical 1:
  the board outline again, w0.1

## Text inside footprints (layer, text, board x,y; h text height)
C1: Top Overlay "+" at 22.985,69.666 h0.8
C3: Top Overlay "+" at 56.031,57.821 h0.8 r270
C4: Top Overlay "+" at 36.635,61.895 h0.8 r90
C5: Top Overlay "+" at 36.714,54.365 h0.8
C6: Top Overlay "+" at 59.709,58.791 h0.8 r90
C7: Top Overlay "+" at 32.909,60.562 h0.8 r270
C8: Top Overlay "+" at 64.714,33.667 h0.8
C9: Top Overlay "+" at 68.723,32.587 h0.8
C10: Top Overlay "+" at 61.994,52.32 h0.8 r90
C11: Top Overlay "+" at 46.989,50.166 h0.8
C12: Top Overlay "+" at 48.718,24.582 h0.8
C13: Top Overlay "+" at 36.409,27.69 h0.8 r90
C14: Top Overlay "+" at 38.917,27.701 h0.8 r90
C15: Top Overlay "+" at 89.906,10.882 h0.8 r90
C16: Top Overlay "+" at 92.186,14.26 h0.8 r90
C17: Top Overlay "+" at 41.931,90.559 h0.8 r90
C18: Top Overlay "+" at 39.358,90.569 h0.8 r90
C19: Top Overlay "+" at 30.055,88.56 h0.8 r270
C20: Top Overlay "+" at 61.522,76.066 h0.8 r270
U7: Mechanical 13 "ANTENNA" at 45.841,95.89 h1.78